# Altium PCB MCH_MAIN.PCBDOC (part 3 of 14)
Units mil, origin at the board's own origin, x right, y up, seen from the top; angles counter-clockwise.
Board outline 7110.66 x 2894.12 mil, 6 copper layers (Top Layer, Power, MidLayer1, MidLayer4, GND, Bottom Layer), stack 61.549 mil thick; 630 components, 1085 nets, 3940 pads, 2676 vias.
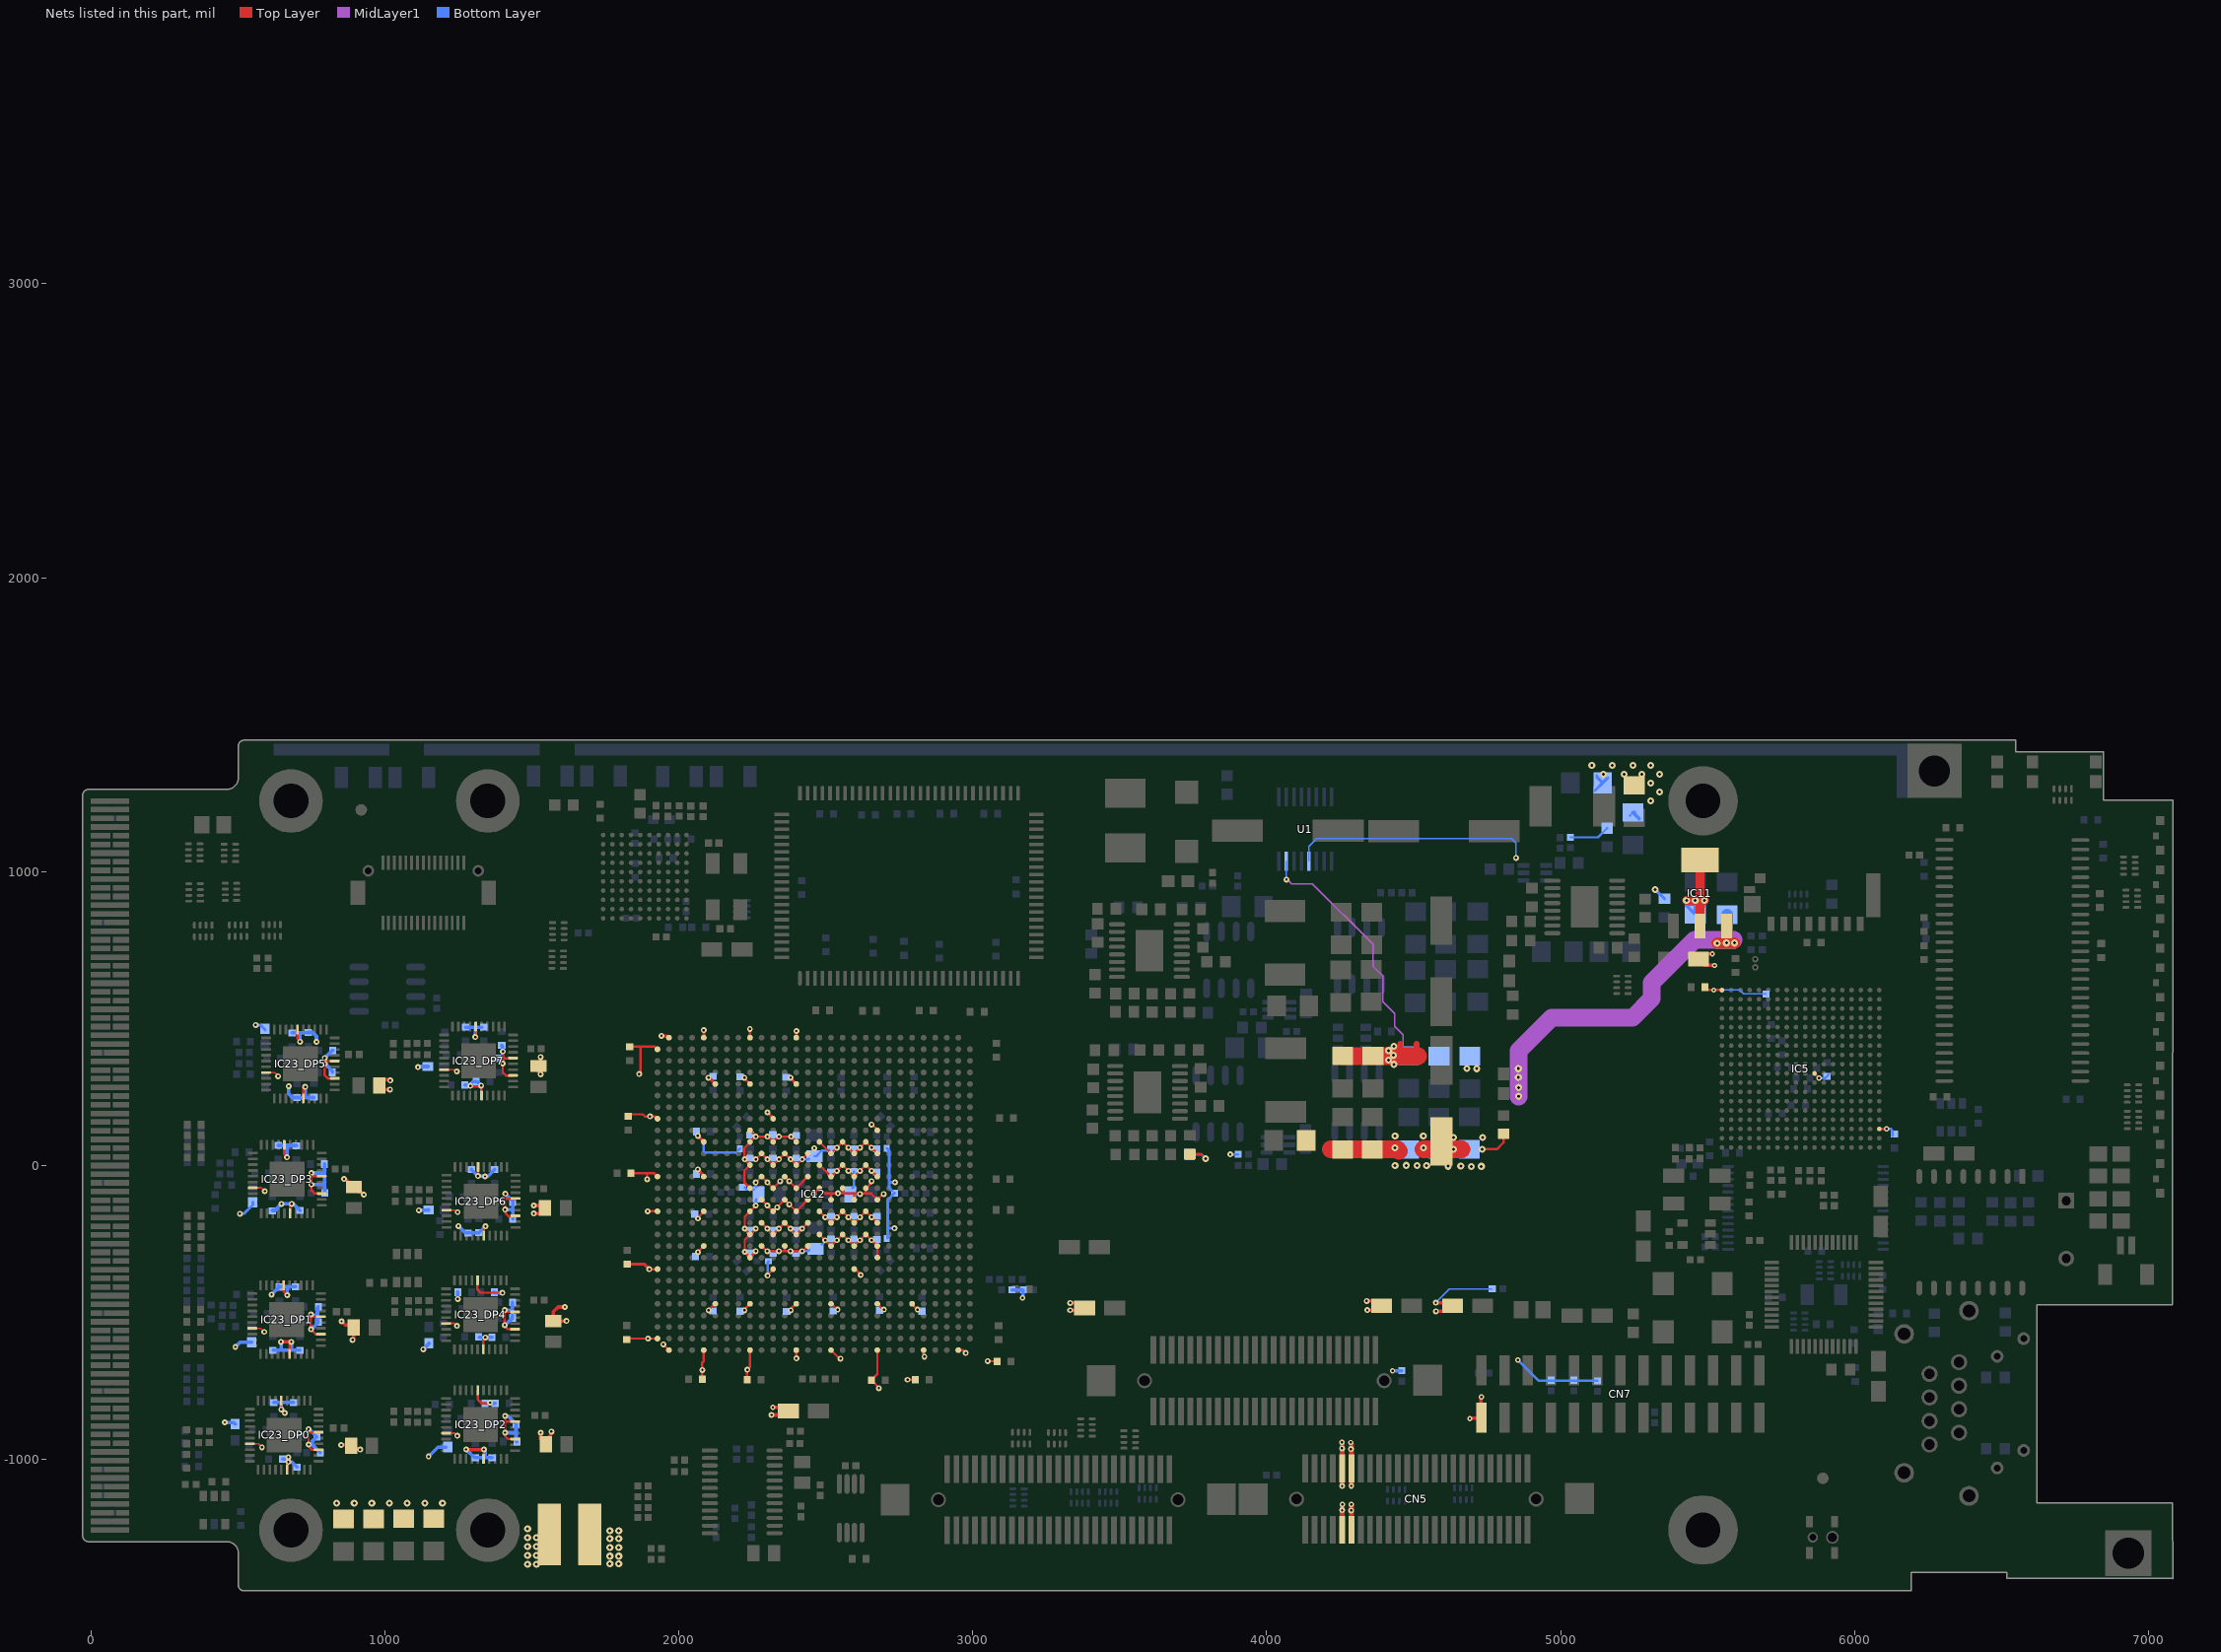
[diagram p7: the nets of this part, all layers, seen from the top]

## Part data
C1 C3 C4 C6 C34 C36 C37 C38 C39 C40 C41 C43 C44 C45 C46 C50 C52 C53 C55 C57 C60 C67_DP0 C67_DP1 C67_DP2 C67_DP3 C67_DP4 C67_DP5 C67_DP6 C67_DP7 C74_DP0 C74_DP1 C74_DP2 C74_DP3 C74_DP4 C74_DP5 C74_DP6 C74_DP7 C76_DP0 C76_DP1 C76_DP2 C76_DP3 C76_DP4 C76_DP5 C76_DP6 C76_DP7 C77 C78 C79 C80 C81 C82 C83 C85 C89 C93 C96 C97 C99 C101 C102 C103 C104 C108 C109 C110 C113 C117 C118 C119 C123 C126 C129 C133 C134 C136 C141 C142 C143 C148 C149 C150 C151 C154 C155 C156 C159 C161 C162 C164 C166 C167 C172 C173 C180 C181 C182 C188 C189 C190 C191 C192 C194 C195 C196 C197 C198 C199 C206 C212 C216 C217 C219 C220 C225 C226 C229 C230 C231 C232 C233 C234 C235 C236 C237 C238 C239 C240 C251_DP0 C251_DP1 C251_DP2 C251_DP3 C251_DP4 C251_DP5 C251_DP6 C251_DP7 C252_DP0 C252_DP1 C252_DP2 C252_DP3 C252_DP4 C252_DP5 C252_DP6 C252_DP7 C254: library part CC0402_100NF_16V_10%_X7R, "Non-polarised capacitor"
C2 C5 C7 C58 C258: library part CC0402_1NF_50V_10%_X7R, "Non-polarised capacitor"
C8 C9 C11 C12 C13 C21 C23 C24 C25 C27 C30 C31 C42 C72 C73 C256: library part CC0603_100NF_50V_10%_X7R, "Non-polarised capacitor"
C10 C22: library part CC0603_100PF_50V_5%_NP0, "Non-polarised capacitor"
C14: library part CC0603_2.2NF_50V_10%_X7R, "Non-polarised capacitor"
C15: library part CC0603_22NF_50V_10%_X7R, "Non-polarised capacitor"
C16: library part CC0603_33NF_25V_10%_X7R, "Non-polarised capacitor"
C17: library part CC0603_1.0uF_16V_10%_X7R, "Non-polarised capacitor"
C19 C61: library part CC0603_390PF_50V_5%_NP0, "Non-polarised capacitor"
C20 C29: library part CC0603_220PF_50V_5%_NP0, "Non-polarised capacitor"
C26: library part CC0603_68NF_16V_10%_X7R, "Non-polarised capacitor"
C28 C193: library part CC0603_15PF_50V_5%_NP0, "Non-polarised capacitor"
C32 C33 C35: library part CTE3216-18_10UF_10V_10%_LESR1800, "Polarised capacitor"
C47 C48 C49: library part CTE3216-18_22UF_10V_10%, "Polarised capacitor"
C51: library part CC0402_4.7NF_16V_10%_X7R, "Non-polarised capacitor"
C54: library part CC0402_470PF_50V_10%_X7R, "Non-polarised capacitor"
C56 C68_DP0 C68_DP1 C68_DP2 C68_DP3 C68_DP4 C68_DP5 C68_DP6 C68_DP7 C70_DP0 C70_DP1 C70_DP2 C70_DP3 C70_DP4 C70_DP5 C70_DP6 C70_DP7 C75_DP0 C75_DP1 C75_DP2 C75_DP3 C75_DP4 C75_DP5 C75_DP6 C75_DP7 C87 C111 C114 C120 C122 C124 C125 C127 C128 C130 C131 C135 C137 C139 C144 C157 C165 C200 C250_DP0 C250_DP1 C250_DP2 C250_DP3 C250_DP4 C250_DP5 C250_DP6 C250_DP7 C257: library part CC0402_10NF_16V_10%_X7R, "Non-polarised capacitor"
C59 C66_DP0 C66_DP1 C66_DP2 C66_DP3 C66_DP4 C66_DP5 C66_DP6 C66_DP7 C91 C105 C107 C112 C115 C116 C121 C138 C145 C146 C147 C152 C153 C160 C174 C218: library part CC0402_1.0NF_50V_10%_X7R, "Non-polarised capacitor"
C62 C98 C259 C260: library part CC0402_22PF_50V_5%_NP0, "Non-polarised capacitor"
C63_DP0 C63_DP1 C63_DP2 C63_DP3 C63_DP4 C63_DP5 C63_DP6 C63_DP7 C64_DP0 C64_DP1 C64_DP2 C64_DP3 C64_DP4 C64_DP5 C64_DP6 C64_DP7 C65_DP0 C65_DP1 C65_DP2 C65_DP3 C65_DP4 C65_DP5 C65_DP6 C65_DP7 C132_DP0 C132_DP1 C132_DP2 C132_DP3 C132_DP4 C132_DP5 C132_DP6 C132_DP7: library part CC0402_22NF_16V_10%_X7R, "Non-polarised capacitor"
C69: library part CPER_100NF_63V_10%_500-250X720X650, "Non-polarised capacitor"
C71_DP0 C71_DP1 C71_DP2 C71_DP3 C71_DP4 C71_DP5 C71_DP6 C71_DP7 C243 C244: library part CC0805_22uF_6.3V_20%_X5R, "Non-polarised capacitor"
C84 C86 C88 C90: library part CC0805_10uF_16V_10%_X5R, "Non-polarised capacitor"
C92 C94 C95: library part CC0603_10NF_50V_10%_X7R, "Non-polarised capacitor"
C100 C106: library part CC0402_15PF_50V_5%_NP0, "Non-polarised capacitor"
C140 C241 C242: library part CC0603_10uF_6.3V_20%_X5R, "Non-polarised capacitor"
C158 C163 C221 C222 C223 C224: library part CTE3216-18_22UF_6.3V_10%_LESR0900, "Polarised capacitor"
C168 C169 C170 C171 C175 C176 C177 C178 C179 C183 C184 C185 C186 C187 C201 C202 C203 C204 C205 C207 C208 C209 C210 C211 C245 C246 C247 C248 C253 C255: library part Cap, "Capacitor"
C213 C214 C215 C249: library part "Cap Pol1", "Polarized Capacitor (Radial)"
C227 C228: library part CC0603_10UF_6.3V_20%_X5R, "Non-polarised capacitor"
CN1: library part CON_SH_CRIMP_1MM_2
CN2: "microTCA MTCA.0 standard MCH connector 1"
CN3: library part CON_ETHERNET_TYCO_1888250-1, "low profile uTCA Ethernet jack (RJ45)"
CN4 CN5 CN11: library part KX15_50p, "multipin B2B connector (plug)"
CN6: library part KX15_30p, "multipin B2B connector (plug)"
CN7: library part "CONN_2x13 2", "1.27 mm dual row goldpin"
CN10: library part CON_CARD_micro_SD, "Secure Digital Cards socket (Farnell)"
D1 D2 D3 D4: library part LED0, "Chip LED (any color)"
D5 D6 D7 D8 D9 D10 D11 D12: library part LED_2_colour, "Dual color LED"
D13: "Schottky Diode"
D14 D18 D22: library part "D Schottky", "Schottky Diode"
D15 D16 D19: library part LED0, "Red chip LED"
D17: library part D_TRANSIL_SMD_0.6KW, "transil 600W"
D20 D21 D23 D24: library part Diode, "Default Diode"
F1: "polymer FUSE"
IC1: "ONSemi LVDS/LVPECL -> LVTTL/LVCMOS buffer"
IC2: library part CDCVF310, "1:10 LVTTL/LVCMOS clock fanout"
IC3: library part OSC_CFPS-73, "SMD oscillator 3.3V (Elfa)"
IC4: library part IFC_DM9161AE, "Davicom 100Mbps ethernet PHY"
IC5: library part AT91SAM9263, "Atmel ARM926 MCU"
IC6 IC7: "Micron 256Mbit PC133 SDRAM w/16-bit data bus"
IC8: "TI single OR gate"
IC9: library part AT91SAM7X256, "Atmel ARM7 microcontroller with 256kB flash"
IC10: library part MEM_AT45DB642, "serial data FLASH"
IC11: library part 1117, "Three-Terminal Adjustable Output Positive Voltage Regulator"
IC12: library part EP3C120F780C7, "Cyclone III Family FPGA, 531 I/O Pins, 4 PLLs, 780-Pin FBGA, Speed Grade 7, Commercial Grade"
IC13: "National Semiconductor 3A integrated synchronous buck converter"
IC14 IC15: library part TPS4005X, "TI synchronous buck controller"
IC17: library part 71V3556, "4.5 Mbit ZBT SRAM"
IC18: library part DS18B20Z, "1-wire thermometer/ID chip"
IC19: "TTL->LVDS buffer"
IC20: "LVDS->TTL buffer"
IC21 IC22 IC24: library part INA210_214, "High/low side current monitor"
IC23_DP0 IC23_DP1 IC23_DP2 IC23_DP3 IC23_DP4 IC23_DP5 IC23_DP6 IC23_DP7: "Texas Instruments Gigabit Ethernet PHY with deterministic clocking and LVPECL output interface"
IC39 IC40 IC41 IC42: "I2C temp. sensor"
L1 L2 L8: library part L_IHLP2525_0.68u, "Vishay 16A 2.2u inductor"
L3 L5_DP0 L5_DP1 L5_DP2 L5_DP3 L5_DP4 L5_DP5 L5_DP6 L5_DP7 L6 L7 L10: "Ferrite bead"
L4 L9 L11: library part Inductor, "Ferrite bead"
L12: library part L_WUERTH_744043, "Wuerth small footprint SMD power inductor"
Q1 Q2 Q3 Q4: library part Q_SI7860, "18A 8mOhm N-Channel MOSFET"
R1 R2 R3 R4 R5 R6 R7 R8 R11 R12 R68 R69 R70 R71 R72 R73 R74: library part R0402_22R_1%_0.0625W_100PPM, "Resistor - 1%"
R9 R39 R65_DP0 R65_DP1 R65_DP2 R65_DP3 R65_DP4 R65_DP5 R65_DP6 R65_DP7: library part R0402_33R_1%_0.0625W_100PPM, "Resistor - 1%"
R10 R76 R101: library part R0402_100R_1%_0.0625W_100PPM, "Resistor - 1%"
R13: library part R0603_56K_1%_0.1W_100PPM, "Resistor - 1%"
R14 R60 R75: library part R0402_1K5_1%_0.0625W_100PPM, "Resistor - 1%"
R15 R32: library part R0603_4K7_1%_0.1W_100PPM, "Resistor - 1%"
R16: library part R0603_1R_1%_0.1W_100PPM, "Resistor - 1%"
R17: library part R0603_4K99_0.1%_0.063W_10PPM, "Resistor - 0.1%"
R18_DP0 R18_DP1 R18_DP2 R18_DP3 R18_DP4 R18_DP5 R18_DP6 R18_DP7 R63_DP0 R63_DP1 R63_DP2 R63_DP3 R63_DP4 R63_DP5 R63_DP6 R63_DP7: library part R0402_51R_1%_0.0625W_100PPM, "Resistor - 1%"
R19 R40 R43 R47 R48 R57 R64 R66 R80 R83 R84 R85 R86 R88 R89 R90 R91 R92 R93 R94 R95 R103 R104 R105 R106 R107 R108 R109 R110: library part R0402_10K_1%_0.0625W_100PPM, "Resistor - 1%"
R20 R23: library part R0603_10K_1%_0.1W_100PPM, "Resistor - 1%"
R21 R22 R58 R59 R67: library part R0402_0R_JUMPER, "Resistor - 1%"
R24: library part R0603_120K_1%_0.1W_100PPM, "Resistor - 1%"
R25: library part R0603_5K76_0.1%_0.063W_10PPM, "Resistor - 0.1%"
R26 R36: library part R0603_1K_1%_0.1W_100PPM, "Resistor - 1%"
R27 R37: library part R0603_100K_0.1%_0.063W_10PPM, "Resistor - 0.1%"
R28 R38: library part R0603_7K5_0.1%_0.063W_10PPM, "Resistor - 0.1%"
R29: library part R0603_220R_1%_0.1W_100PPM, "Resistor - 1%"
R30 R42: library part R0603_200K_1%_0.1W_100PPM, "Resistor - 1%"
R31: library part R0603_39K_1%_0.1W_100PPM, "Resistor - 1%"
R33: library part R0603_43K_1%_0.1W_100PPM, "Resistor - 1%"
R34 R82: library part R0402_1K_1%_0.0625W_100PPM, "Resistor - 1%"
R35: library part R0603_91K_1%_0.1W_100PPM, "Resistor - 1%"
R41: library part R0603_330R_1%_0.1W_100PPM, "Resistor - 1%"
R44: library part R0603_27K_1%_0.1W_100PPM, "Resistor - 1%"
R45 R46 R49 R50: library part R0603_49R9_0.1%_0.063W_10PPM, "Resistor - 0.1%"
R51: library part R0603_6K8_1%_0.1W_100PPM, "Resistor - 1%"
R52 R53: library part R0603_75R_1%_0.1W_100PPM, "Resistor - 1%"
R54 R55: library part R0603_470R_1%_0.1W_100PPM, "Resistor - 1%"
R56: library part R0402_2K_1%_0.0625W_100PPM, "Resistor - 1%"
R61 R62 R77 R78 R79 R81: library part R0402_3K3_1%_0.0625W_100PPM, "Resistor - 1%"
R87: library part R0402_47K_1%_0.0625W_100PPM, "Resistor - 1%"
R96 R97 R98: library part Res2, "Resistor"
R99 R100 R102 R118: library part R0402_680R_1%_0.0625W_100PPM, "Resistor - 1%"
R111 R112 R113 R114 R115 R116: library part R1206_100K_1%_0.25W_100PPM, "Resistor - 1%"
R117: library part R1206_0R_JUMPER, "Resistor - 1%"
RP1 RP2 RP3 RP5 RP19 RP20 RP21 RP22 RP23 RP24 RP25 RP31: library part Res_Pack4_10k_YC124, "4-resistor pack"
RP6 RP7 RP8 RP9 RP30: library part Res_Pack4_220R_YC124_1, "4-resistor pack"
RP10 RP11 RP12 RP13 RP14 RP15 RP16 RP17 RP18 RP26 RP27 RP28 RP29: library part Res_Pack4_22R_YC124, "4-resistor pack"
S1: library part uTCA_HOTSWAP_SWITCH, "Push button"
Tr1: "ethernet trafo (TME)"
U1: "Analog Multiplexer/Demultiplexer"
X1 X2: library part X_CRYSTAL_SMD_ABM8, "Miniature crystal oscillator (ABRACON)"
X3: library part XTAL, "Crystal Oscillator"

## Free pads (board coordinates)
  rect 393.7x39.37 smd far side paste-100000 mask+10: ESD_STRIP_SEGMENT_1(818.91,1415.33) ESD_STRIP_SEGMENT_2(1330.72,1415.33)
  rect 4685.04x39.37 smd far side paste-100000 mask+10: ESD_STRIP_SEGMENT_3(3988.2,1415.33)
  rect 39.37x185.04 smd far side paste-100000 mask+10: ESD_STRIP_SEGMENT_3(6163.4,1342.5)
  rect 185.04x185.04 hole 106.3: ESD_STRIP_SEGMENT_3(6271.66,1342.5)
  round 39.37 smd paste-39.37 mask+19.68: fid_1(920,1209.9) fid_3(5891.8,-1064.2)
  round 39.37 smd far side paste-39.37 mask+19.68: fid_2(5891.8,-1064.2) fid_4(920,1209.9)
  round 216.54 hole 118.11: ""(681.11,-1240.18) ""(681.11,1240.14) ""(1350.4,-1240.18) ""(1350.4,1240.14)
  round 236.22 hole 118.11: ""(5484.26,-1240.18) ""(5484.26,1240.14)
  rect 157.48x157.48 hole 106.3: ""(6931.11,-1318.92)

## Via types
v1: diameter 20, hole 8, Top Layer to Bottom Layer, tented both sides, 1658 vias
v2: diameter 18, hole 8, Top Layer to Bottom Layer, tented both sides, 580 vias
v3: diameter 24, hole 10, Top Layer to Bottom Layer, tented both sides, 438 vias

## Nets (pads, with @x,y where several pads share a name; then routed paths per layer and width w, separated by ;. In a path a pad name is that pad's centre, name@x,y a point inside that pad or via, vN(x,y) a via of type N, cw(c..) or ccw(c..) an arc to the next point about the centre after c; other vN are vias at no path point)
+1V2: C9.2 C77.2 C78.2 C80.2 C82.2 C84.2 C85.2 C86.2 C88.2 C89.2 C90.2 C93.2 C96.2 C97.2 C101.2 C103.2 C122.1 C124.1 C125.1 C127.1 C128.1 C130.1 C131.1 C137.1 C139.1 C146.1 C147.1 C152.1 C153.1 C158.1 C163.1 C170.2 C171.2 C240.2 IC12.J9 IC12.J20 IC12.K9 IC12.K11 IC12.K13 IC12.K15 IC12.K17 IC12.K19 IC12.L10 IC12.L12 IC12.L14 IC12.L16 IC12.L18 IC12.L20 IC12.M9 IC12.M11 IC12.M13 IC12.M15 IC12.M17 IC12.M19 IC12.N10 IC12.N12 IC12.N14 IC12.N16 IC12.N18 IC12.N20 IC12.P9 IC12.P11 IC12.P13 IC12.P15 IC12.P17 IC12.P19 IC12.R10 IC12.R12 IC12.R14 IC12.R16 IC12.R18 IC12.R20 IC12.T9 IC12.T11 IC12.T13 IC12.T15 IC12.T17 IC12.T19 IC12.U10 IC12.U12 IC12.U14 IC12.U16 IC12.U18 IC12.U20 IC12.V9 IC12.V11 IC12.V13 IC12.V15 IC12.V17 IC12.V19 IC12.W10 IC12.W12 IC12.W14 IC12.W16 IC12.W18 IC12.W20 IC12.Y9 IC12.Y20 R17.2 R96.1 R104.2 U1.12 | length 5179.3
  Top Layer w8: 2224.66,-16.11 2228.74,-12.04 ; v1@2224.66,19.57 IC12.M9@2242.51,1.73 2228.74,-12.04 ; v1@2224.66,25.5 2223.66,26.5 2223.66,59.94 2229.81,66.09 ; 2224.66,60.94 2229.81,66.09 ; IC12.P9@2241.21,-78.31 IC12.P9@2242.51,-77.01 2224.66,-59.17 2223.66,-58.17 2223.66,-17.11 2228.74,-12.04 ; IC12.J9@2242.51,119.84 2262.11,100.23 v1@2262.11,98.31 ; v1(2262.08,-57.44) IC12.N10@2281.88,-37.64 2301.76,-57.53 IC12.P11@2321.25,-77.01 v1(2344.79,-53.47) IC12.N12@2360.62,-37.64 2376.36,-53.39 IC12.P13@2399.99,-77.01 IC12.N14@2439.36,-37.64 ; v1(2262.11,-291.66) 2242.51,-311.26 IC12.Y9@2242.51,-313.23 2224.66,-295.39 v1(2224.67,-293.66) 2224.66,-252.33 IC12.V9@2242.51,-234.49 ; v1(2262.11,-214.88) IC12.V9@2242.51,-234.49 ; v1(2262.11,21.34) IC12.L10@2281.88,41.1 2301.76,21.21 IC12.M11@2321.25,1.73 v1(2340.85,21.34) IC12.L12@2360.62,41.1 2380.5,21.21 IC12.M13@2399.99,1.73 2419.8,21.54 IC12.L14@2439.36,41.1 ; v1(2262.11,98.11) v1@2262.11,98.31 ; v1(2262.15,-136.11) IC12.T9@2242.51,-155.75 2224.66,-173.59 v1(2224.67,-214.92) 2224.66,-216.65 IC12.V9@2242.51,-234.49 ; IC12.W10@2281.88,-273.86 v1@2299.72,-291.7 ; IC12.U10@2281.88,-195.12 2301.56,-214.81 IC12.V11@2321.25,-234.49 v1(2340.85,-214.88) IC12.U12@2360.62,-195.12 2380.3,-214.81 IC12.V13@2399.99,-234.49 v1(2419.59,-214.88) IC12.U14@2439.36,-195.12 ; IC12.R10@2281.88,-116.38 2301.56,-136.07 IC12.T11@2321.25,-155.75 v1(2334.95,-142.05) IC12.R12@2360.62,-116.38 2376.36,-132.13 IC12.T13@2399.99,-155.75 IC12.R14@2439.36,-116.38 ; IC12.W12@2360.62,-273.86 2360.62,-291.62 2360.54,-291.7 ; IC12.K13@2399.99,80.47 2382.27,98.19 2382.14,98.31 2340.85,98.31 2339.09,98.31 IC12.K11@2321.25,80.47 2303.4,98.31 2301.89,98.31 v1@2262.11,98.31 ; IC12.W14@2439.36,-273.86 2421.51,-291.7 v1(2419.59,-291.66) v1(2380.22,-291.66) 2360.54,-291.7 ; v1(2458.96,-96.77) IC12.P15@2478.73,-77.01 2480.41,-77.01 2498.25,-94.85 2541.64,-94.85 2557.39,-94.85 ; IC12.V15@2478.73,-234.49 2498.41,-254.18 IC12.W16@2518.1,-273.86 v1(2537.7,-254.25) IC12.V17@2557.47,-234.49 2577.15,-254.18 IC12.W18@2596.84,-273.86 v1(2616.44,-254.25) IC12.V19@2636.21,-234.49 2655.89,-254.18 IC12.W20@2675.58,-273.86 IC12.Y20@2675.58,-313.23 ; IC12.T15@2478.73,-155.75 2498.41,-175.44 IC12.U16@2518.1,-195.12 v1(2537.7,-175.51) IC12.T17@2557.47,-155.75 v1(2577.07,-175.51) IC12.U18@2596.84,-195.12 v1(2616.44,-175.51) IC12.T19@2636.21,-155.75 2655.89,-175.44 IC12.U20@2675.58,-195.12 ; IC12.M15@2478.73,1.73 IC12.N16@2518.1,-37.64 v1(2537.7,-18.03) IC12.M17@2557.47,1.73 2577.15,-17.96 IC12.N18@2596.84,-37.64 v1(2616.44,-18.03) IC12.M19@2636.21,1.73 2655.89,-17.96 IC12.N20@2675.58,-37.64 ; IC12.K15@2478.73,80.47 IC12.L16@2518.1,41.1 v1(2537.7,60.71) IC12.K17@2557.47,80.47 2577.15,60.78 IC12.L18@2596.84,41.1 v1(2616.44,60.71) IC12.K19@2636.21,80.47 2655.89,60.78 IC12.L20@2675.58,41.1 ; IC12.R16@2518.1,-116.38 2518.1,-95.93 ; IC12.P17@2557.47,-77.01 2557.39,-77.09 2557.39,-94.85 ; IC12.R18@2596.84,-116.38 2596.84,-96.9 2594.79,-94.85 ; IC12.P19@2636.21,-77.01 2636.21,-94.77 2636.13,-94.85 ; IC12.P19@2638.1,-77.09 2655.81,-59.37 v1(2655.81,-53.47) ; v1@2657.78,139.45 2675.58,121.65 IC12.J20@2675.58,119.84 ; v1@2695.18,-96.77 IC12.R20@2675.58,-116.38 2654.05,-94.85 2636.13,-94.85 ; 2229.81,66.09 2242.51,78.78 IC12.K9@2242.51,80.47 2260.35,98.31 v1@2262.11,98.31 ; v1@2299.72,-291.7 v1(2301.48,-291.66) ; v1@2299.72,-291.7 v1(2301.48,-291.66) ; v1(2301.48,-291.66) v1(2340.85,-291.66) 2360.54,-291.7 ; 2557.39,-94.85 2594.79,-94.85 ; 2594.79,-94.85 2616.44,-94.85 2636.13,-94.85
  Top Layer w12: v1(3331.8,-467.5) 3363.82,-467.5 C163.1@3380.82,-484.5 3373.62,-491.7 v1@3336.8,-491.7 ; v1(4340.3,-461.1) 4374.82,-461.1 C158.1@4390.82,-477.1 4379,-477.1 4364.4,-491.7 v1(4342.4,-491.7)
  Bottom Layer w5: U1.12@4143.8,1035.65 4143.8,1086 4160.2,1102.4 4160.2,1102.5 4169.3,1111.6 4833.3,1111.6 4848,1096.9 4848,1085.08 v1(4848,1046.7) ; C170.2@5233.2,1188.22 C170.2@5246,1201.02 ; v3(5322,938.9) v3@5326,934.9 ; R17.2@5353,907.4 R17.2@5353,907.9
  Bottom Layer w8: C130.1@2224.71,-75.12 2230.62,-81.03 C86.2@2256.21,-81.03 ; v1(2262.08,-57.44) 2262.08,-71.15 C86.2@2264.08,-73.15 ; v1(2262.15,-136.11) 2262.15,-116.42 C86.2@2264.08,-114.49 ; C86.2@2283.76,-116.46 2283.76,-118.36 v1(2301.52,-136.11) ; v1(2419.59,-291.66) 2439.28,-291.66 C90.2@2443.21,-287.72 ; v1(2420,21.34) 2441.24,21.34 C84.2@2443.21,23.3 ; C84.2@2462.13,31.59 2467.25,31.59 2486.52,50.86 2510.14,50.86 C152.1@2512.11,52.83 ; C90.2@2486.52,-268.03 2488.49,-268.03 2498.33,-258.19 v1(2498.33,-254.25) ; v1(2541.64,-94.81) 2577.07,-94.81 C88.2@2579.04,-96.77 ; C88.2@2590.85,-77.09 2596.13,-71.81 C128.1@2596.13,-20.6 ; C88.2@2594.79,-96.77 v1(2616.44,-96.77) ; R104.2@5033,1116.62 5127.22,1116.62 C9.2@5158,1147.4
  Bottom Layer w10: C171.2@5117.04,1275.82 C171.2@5143.12,1301.9 ; C171.2@5122.8,1325.3 5122.8,1322.22 C171.2@5126.4,1318.62 ; v3@5326,934.9 5326,934.4 R17.2@5353,907.4 ; C171.2@5126.4,1318.62 C171.2@5143.12,1301.9 ; C171.2@5126.4,1318.62 C171.2@5143.12,1301.9 ; C171.2@5143.12,1301.9 5160,1318.78 C171.2@5143.12,1301.9
  Bottom Layer w12: C170.2@5246,1201.02 5266.92,1180.1 C170.2@5246,1201.02 ; C170.2@5246,1201.02 5252.52,1201.02 C170.2@5246,1201.02
  other v1: 3331.6,-492.3 2577.07,-254.25 2655.81,-254.25 2301.48,-214.88 2380.22,-214.88 2498.33,-175.51 2655.81,-175.51 2376.28,-132.21 2697.15,-96.77 2301.89,-57.4 2376.28,-53.47 2577.07,-18.03 2655.81,-18.03 2224.67,21.3 2301.89,21.34 2380.63,21.34 2460.93,58.74 2577.07,60.71 2655.81,60.71 2301.89,98.11 2340.85,98.11 2382.19,98.11 2655.81,139.45
  other v3: 5306,1240.9 5336,1270.9 5306,1300.9 5146,1330.9 5216,1330.9 5276,1330.9 5336,1330.9 5106,1360.9 5176,1360.9 5246,1360.9 5306,1360.9
+1V2_CPU: C49.1 C99.2 C102.2 C104.2 C169.2 IC5.A16 IC5.H10 IC5.V1 IC11.2 IC11.4 R58.1 | length 1003.8
  Top Layer w8: C102.2@5491.24,606.91 5500.98,597.17 IC5.V1@5548.5,597.17 ; IC5.H10@5863.57,313.37 v2(5879.32,297.63) ; IC5.A16@6083.93,124.73 6084.05,124.73 v2@6107.57,124.73
  Top Layer w12: v2(5516,719.9) 5489,719.9 5471.49,702.39 C49.1@5469.07,702.39 ; v2@5523,680.3 5523,680.7 C49.1@5490.76,680.7 ; v2@5523.8,680.3 v2(5523.4,680.7) C49.1@5490.76,680.7 ; C49.1@5469.07,702.39 C49.1@5490.76,680.7 ; C49.1@5469.07,702.39 C49.1@5490.76,680.7
  Top Layer w30: v3(5428,901.9) v3(5489,901.9) ; IC11.2@5474,814.7 IC11.4@5474,1039.1
  Bottom Layer w5: v2(5521.07,596.83) 5521.15,596.91 5608.99,596.91 5622.28,583.62 R58.1@5699,583.62
  Bottom Layer w8: v2(5879.32,297.63) 5900.02,297.63 C99.2@5911.82,309.43 ; v2@6110.65,123.71 v2@6111.64,124.69 ; v2@6111.75,124.36 6123.56,124.36 6129,118.92 6129,106.52 C104.2@6129,100.52
  Bottom Layer w12: v3(5428,901.9) 5428,883.78 C169.2@5458,853.78 ; v3(5458,901.9) C169.2@5458,853.78 ; v3(5489,901.9) 5489,884.78 C169.2@5458,853.78
  other v2: 6108.67,124.39
+2V5: C79.1 C81.1 C83.1 C87.1 C91.1 C141.1 C142.1 C143.1 C144.1 C145.1 C154.1 C155.1 C156.1 C157.1 C160.1 C161.1 C164.1 C165.1 C174.1 C175.1 C176.1 C177.1 C178.1 C179.1 C183.2 C184.2 C185.2 C186.2 C187.2 C196.1 C198.1 C200.1 C213.1 C218.1 C221.1 C222.1 C253.2 CN5.9 CN5.10 CN5.11 CN5.12 CN7.26 IC11.3 IC12.A2 IC12.A5 IC12.A9 IC12.A13 IC12.AA1 IC12.AA11 IC12.AA18 IC12.AD6 IC12.AD9 IC12.AD13 IC12.AD16 IC12.AD20 IC12.AD23 IC12.AG1 IC12.AH2 IC12.AH5 IC12.AH9 IC12.AH13 IC12.AH16 IC12.AH20 IC12.AH24 IC12.AH27 IC12.B1 IC12.E6 IC12.E9 IC12.E13 IC12.H1 IC12.H11 IC12.K5 IC12.N1 IC12.N5 IC12.T1 IC12.T5 IC12.W5 L3.1 L6.1 L7.1 L10.1 L12.1 R21.1 R27.2 R28.2 R29.2 R40.1 R43.1 R61.2 R62.2 R77.2 R97.1 R99.2 R100.2 R106.2 U1.15 | length 7521.9
  Top Layer w8: C196.1@1823.13,-591.6 1825.91,-588.82 v1(1895.52,-588.82) IC12.AG1@1927.54,-588.82 ; C198.1@1833.4,404.12 1869.4,404.12 ; C83.1@1837.02,-26.5 1858.6,-26.5 ; 1851.38,174.12 1832.4,174.12 1877.98,174.12 1885.2,166.9 1919.85,166.9 IC12.H1@1927.54,159.21 ; v1(1865.2,311.3) 1869.4,315.5 1869.4,404.12 ; 1868,-26.5 1858.6,-26.5 ; v1@1892.6,-44.3 1892.6,-26.5 ; v1@1894.35,-155.75 IC12.T1@1927.54,-155.75 ; v1(1899.9,-352.6) IC12.AA1@1927.54,-352.6 ; IC12.N1@1924.9,-35 1916.4,-26.5 1892.6,-26.5 ; IC12.B1@1927.54,395.43 1918.85,404.12 1869.4,404.12 ; v1(1947.22,-608.5) IC12.AH2@1966.91,-628.19 ; v1@2063.29,-179.45 2063.78,-178.96 2083.06,-159.69 IC12.T5@2083.06,-157.72 ; v1@2065.26,-297.56 v1(2065.26,-294.61) 2065.26,-293.62 IC12.W5@2083.06,-275.83 ; C165.1@2080.22,-725.3 2080.22,-670.33 2085.02,-665.52 IC12.AH5@2085.02,-628.19 ; v1@2102.66,-494.41 2102.66,-492.44 2102.66,-490.48 IC12.AD6@2118.49,-474.65 ; v1(2223.15,298.93) 2223.15,296.68 IC12.E9@2242.51,277.32 ; v1@2226.68,-490.48 2226.68,-486.54 IC12.AD9@2242.51,-470.71 ; C87.1@2232.78,-728.5 2232.78,-694.32 2242.51,-684.59 IC12.AH9@2242.51,-628.19 ; v1@2301.48,-372.36 IC12.AA11@2321.25,-352.6 ; v1@2382.19,-490.48 2382.19,-486.54 IC12.AD13@2398.02,-470.71 ; v1(2399.99,-656.11) IC12.AH13@2399.99,-628.19 ; IC12.A13@2399.99,434.8 v1(2399.99,457.69) ; IC12.AH16@2518.1,-628.19 2543.8,-653.9 v1@2551.4,-653.9 ; IC12.AD16@2518.1,-470.71 2519.91,-470.71 v1@2539.67,-490.48 ; IC12.AA18@2596.84,-352.6 2600.62,-352.6 v1@2618.41,-370.4 ; IC12.AH20@2675.58,-628.19 2675.58,-709.9 C81.1@2655.38,-730.1 v1@2681.38,-756.1 ; IC12.AD20@2675.58,-470.71 2695.34,-490.48 v1@2697.15,-490.48 ; v1@2680.6,-756.9 v1@2681.4,-756.1 ; v1@2781.6,-729.9 2782.52,-728.98 C79.1@2804.3,-728.98 ; IC12.AD23@2793.69,-470.71 2793.69,-472.84 v1@2811.32,-490.48 ; IC12.AH24@2833.06,-628.19 2833.06,-647.76 v1(2835.8,-650.5) ; IC12.AH27@2951.17,-628.19 2966.69,-628.19 v1(2976.2,-637.7) ; v1@3052.6,-665.7 3081.98,-665.7 C143.1@3082.38,-666.1 ; R28.2@3739,39.4 3775.5,39.4 v3(3792,22.9) ; v2(4255.7,-941.1) 4256.2,-941.6 v1(4256.2,-962.3) 4255.77,-962.73 4255.77,-1027.77 v1@4255.77,-1087.07 ; CN5.10@4255.77,-1236.43 4255.77,-1173.53 v1(4256.6,-1172.7) ; v1@4286.2,-1168.1 4287.27,-1169.17 CN5.12@4287.27,-1236.43 ; v2(4286.5,-942.3) 4286.2,-942.6 v1(4286.2,-964.9) 4287.27,-965.97 4287.27,-1027.77 4287.27,-1087.77 v1@4287.4,-1087.9 ; v3(4733.1,55.4) 4783,55.4 4806,78.4 R29.2@4806,107.4 ; 1858.6,-26.5 1892.6,-26.5
  Top Layer w10: C161.1@1824.4,-336.12 1883.42,-336.12 v1(1899.9,-352.6) ; v1(1941.2,441.1) 1960.62,441.1 IC12.A2@1966.91,434.8 ; v1(2064.68,-13.08) 2085.02,-33.42 IC12.N5@2085.02,-37.64 ; v1(2064.68,101.09) 2085.02,80.75 IC12.K5@2085.02,80.47 ; IC12.A5@2085.02,434.8 v1(2085.02,460.68) ; v1(2101.1,298.93) 2102.79,298.93 IC12.E6@2124.39,277.32 ; v1(2242.2,464.9) 2242.2,435.11 IC12.A9@2242.51,434.8 ; v1(2301.89,180.82) 2321.25,161.46 IC12.H11@2321.25,159.21 ; v1(2380.63,298.93) 2380.63,296.68 IC12.E13@2399.99,277.32
  Top Layer w12: v1(2315.6,-848.7) 2359.22,-848.7 C222.1@2372.82,-835.1 ; v2(2320,-822.1) 2359.82,-822.1 C222.1@2372.82,-835.1 ; C222.1@2381.8,-826.12 C222.1@2372.82,-835.1 ; v1@4577.2,-466.6 4621.22,-466.6 C221.1@4632.22,-477.6 4614.02,-495.8 v1@4577.8,-495.8 ; v2(4691,-861.1) 4692,-860.1 4729,-860.1 4729,-788.1 v2(4730,-787.1)
  Top Layer w16: v2(4255.7,-941.1) 4257.03,-942.43 CN5.9@4257.03,-1030.77 4257.03,-1085.81 v1@4255.77,-1087.07 ; CN5.10@4257.03,-1239.43 v2@4257.03,-1152.73 ; v2@4286.2,-942.6 4288.53,-944.93 CN5.11@4288.53,-1030.77 4288.53,-1089.47 v1(4287.8,-1090.2) ; v2(4288.4,-1153.3) 4288.53,-1153.43 CN5.12@4288.53,-1239.43
  Top Layer w20: 4454.38,372.56 4454.38,413.41 ; 4509.5,413.41 4509.5,377.97 4514.92,372.56
  Top Layer w40: v3@5533,756.9 v3(5592,756.9) v3(5564,756.9) 5564.55,757.45 IC11.3@5564.55,814.7
  Top Layer w60: 4218.77,54.52 C185.2@4258.07,54.52 C184.2@4359.07,54.52 4444.48,54.52 4449.7,49.3 ; C176.1@4258.47,372.56 C175.1@4361.47,372.56 4454.38,372.56 4514.92,372.56 4515.4,372.07 ; v3@4533.12,55.14 4662.64,55.14
  MidLayer1 w5: v1@4067.4,972.3 4071.5,972.3 4085.2,958.6 4155.1,958.6 4361.06,752.64 4361.06,677.76 4394.53,644.3 4394.53,557.67 4435.45,516.75 4435.45,474.25 4464.5,445.2 4464.5,386.6 4452.1,374.2 4432.3,374.2 v3(4431.7,374.8)
  MidLayer1 w8: v1(2399.99,457.69) v1@2400.4,458.1
  MidLayer1 w60: v3@4857,234.9 4857,390.9 4969,502.9 5245,502.9 5310,567.9 5310,622.13 5455.77,767.9 v3@5589,767.9
  Bottom Layer w5: v1@4067.02,973.2 U1.15@4067.02,1035.65 ; v1(4575.2,-466.6) 4621.7,-420.1 R43.1@4767.28,-420.1
  Bottom Layer w8: v1(2064.68,101.09) 2084.8,80.98 2084.8,69.7 2084.8,49.1 2089.6,44.3 2195.09,44.3 L6.1@2208.13,57.34 ; v1(2302.47,-374.33) 2302.47,-329.33 L3.1@2305.81,-325.98 ; R27.2@3737.5,37.9 3777,37.9 v3(3792,22.9) ; v1(3876,37.9) R106.2@3902.28,37.9 ; v2(4854,-661.1) 4925.28,-732.38 4940,-732.38 R61.2@5125,-732.38
  Bottom Layer w10: L10.1@2708.13,58.34 2715.18,51.28 2715.18,-57.5 ; L7.1@2710.8,-247.1 2710.8,-212.9 ; R21.1@2725.2,-85.7 2715.18,-75.68 2715.18,-57.5 ; v1(2733.8,-213.7) 2733,-212.9 2710.8,-212.9 ; R21.1@2734.68,-93.5 2710.8,-117.38 2710.8,-212.9 ; v1(2735.8,-57.3) 2735.6,-57.5 2715.18,-57.5
  Bottom Layer w12: R100.2@3133.72,-423.1 R99.2@3171.28,-423.1 ; R99.2@3164,-422.1 3163,-423.1 R99.2@3171.28,-423.1 ; v2(3169,-450.1) 3171.28,-447.82 R99.2@3171.28,-423.1 ; v2(4428,-698.1) 4428.28,-698.38 R40.1@4459,-698.38
  Bottom Layer w40: v3@5533,756.9 v3(5564,756.9) ; C253.2@5566,853.6 5566,758.9 v3(5564,756.9) ; v3(5592,756.9) v3(5564,756.9)
  other v1: 4287.6,-1173.2 4256.6,-1090.7 2680.6,-757.3 2778.2,-728.7 2080.6,-695.7 2233.4,-695.1 3051,-665.1 2550.23,-657.09 4575.8,-495.8 2101.68,-492.44 2223.73,-492.44 2381.21,-492.44 2540.65,-490.41 2698.13,-490.41 2812.31,-490.41 2619.39,-372.3 2065.26,-180.44 1894.3,-155.6 1892.6,-46.9 1902.4,166.9 4067.4,972.9
  other v2: 4257,-1152.7
  other v3: 1766,-1355.1 1796,-1355.1 1766,-1329.1 1796,-1329.1 1766,-1299.1 1796,-1299.1 1766,-1269.1 1796,-1269.1 1766,-1243.1 1796,-1243.1 4696.5,-3.1 4730.2,-2.8 4617.22,-2.5 4660.2,-1.9 4436.8,0.2 4511.3,0.3 4544.2,0.1 4474.7,0.6 4636.1,55.4 4436.4,60.1 4533.7,60.1 4635.7,95.4 4734.75,95.4 4436.8,100.1 4532.7,100.1 4857.2,235.4 4857.2,265.4 4856.2,299.4 4681.2,329.8 4714.2,329.4 4856.2,329.4 4432.3,344.2 4414.9,359 4415.1,391.1 4433.2,406 5532,755.9
+2V5_PHY: C68_DP0.2 C68_DP1.2 C68_DP2.2 C68_DP3.2 C68_DP4.2 C68_DP5.2 C68_DP6.2 C68_DP7.2 C70_DP0.2 C70_DP1.2 C70_DP2.2 C70_DP3.2 C70_DP4.2 C70_DP5.2 C70_DP6.2 C70_DP7.2 C71_DP0.2 C71_DP1.2 C71_DP2.2 C71_DP3.2 C71_DP4.2 C71_DP5.2 C71_DP6.2 C71_DP7.2 C74_DP0.2 C74_DP1.2 C74_DP2.2 C74_DP3.2 C74_DP4.2 C74_DP5.2 C74_DP6.2 C74_DP7.2 C245.2 C246.2 C247.2 C248.2 C250_DP0.2 C250_DP1.2 C250_DP2.2 C250_DP3.2 C250_DP4.2 C250_DP5.2 C250_DP6.2 C250_DP7.2 C251_DP0.2 C251_DP1.2 C251_DP2.2 C251_DP3.2 C251_DP4.2 C251_DP5.2 C251_DP6.2 C251_DP7.2 C252_DP0.2 C252_DP1.2 C252_DP2.2 C252_DP3.2 C252_DP4.2 C252_DP5.2 C252_DP6.2 C252_DP7.2 IC23_DP0.6 IC23_DP0.13 IC23_DP0.16 IC23_DP0.26 IC23_DP0.37 IC23_DP1.6 IC23_DP1.13 IC23_DP1.16 IC23_DP1.26 IC23_DP1.37 IC23_DP2.6 IC23_DP2.13 IC23_DP2.16 IC23_DP2.26 IC23_DP2.37 IC23_DP3.6 IC23_DP3.13 IC23_DP3.16 IC23_DP3.26 IC23_DP3.37 IC23_DP4.6 IC23_DP4.13 IC23_DP4.16 IC23_DP4.26 IC23_DP4.37 IC23_DP5.6 IC23_DP5.13 IC23_DP5.16 IC23_DP5.26 IC23_DP5.37 IC23_DP6.6 IC23_DP6.13 IC23_DP6.16 IC23_DP6.26 IC23_DP6.37 IC23_DP7.6 IC23_DP7.13 IC23_DP7.16 IC23_DP7.26 IC23_DP7.37 L5_DP0.1 L5_DP1.1 L5_DP2.1 L5_DP3.1 L5_DP4.1 L5_DP5.1 L5_DP6.1 L5_DP7.1 L12.2 | length 5983.4
  Top Layer w6: IC23_DP0.37@541.06,-946.76 570.35,-946.76 v1@581.35,-957.76 ; IC23_DP1.37@548.86,-554.16 578.15,-554.16 v1@589.15,-565.16 ; IC23_DP3.37@550.54,-75.36 579.83,-75.36 v1@590.83,-86.36 ; IC23_DP5.37@596.14,316.05 625.43,316.05 v1@636.43,305.04 ; IC23_DP7.37@1201.74,325.78 1241.12,325.78 1242.03,324.87 v1@1242.03,314.78 ; IC23_DP4.37@1208.06,-537.22 1237.35,-537.22 v1@1248.35,-548.22 ; IC23_DP2.37@1209.14,-911.02 1238.43,-911.02 v1@1249.43,-922.02 ; IC23_DP6.37@1209.86,-152.16 1239.15,-152.16 v1@1250.15,-163.16
  Top Layer w8: IC23_DP0.26@648.35,-800.1 648.35,-831.83 v1@658.13,-841.61 ; IC23_DP1.26@656,-395.4 656,-429.1 v1@665.78,-438.88 ; IC23_DP3.26@657.82,71.3 657.82,39.57 v1@667.6,29.79 ; IC23_DP0.6@668.03,-1034.35 v1@668.03,-1003.09 ; IC23_DP1.6@675.83,-641.75 675.83,-606.47 v1(682.2,-600.1) ; IC23_DP3.6@677.51,-162.95 v1@677.51,-131.69 ; IC23_DP5.26@703.42,462.7 703.42,430.97 v1@712.54,421.84 ; IC23_DP5.6@723.11,228.45 723.11,265.1 727.26,269.25 727.95,269.25 v1(729.4,267.8) ; v1@740.8,-897.72 740.8,-907.56 ; v1@748.6,-505.12 v1@748.6,-514.96 ; v1@750.28,-26.32 750.28,-36.16 ; IC23_DP0.16@775.25,-907.56 740.8,-907.56 ; IC23_DP0.13@775.32,-966.44 751.46,-966.44 740.8,-955.79 740.8,-936.1 740.8,-907.56 ; IC23_DP1.16@783.05,-514.96 v1@748.6,-514.96 ; IC23_DP1.13@783.12,-573.84 765.14,-573.84 748.6,-557.3 748.6,-543.5 v1@748.6,-514.96 ; IC23_DP3.16@784.73,-36.16 750.28,-36.16 ; IC23_DP3.13@784.79,-95.04 760.93,-95.04 750.28,-84.39 v1(750.28,-64.7) 750.28,-36.16 ; v1@795.88,365.08 795.88,307.01 806.53,296.36 IC23_DP5.13@830.08,296.36 ; v1@796,355.24 IC23_DP5.16@830.08,355.24 ; v1@1292.46,269.44 1328.71,269.44 IC23_DP7.6@1328.71,238.19 ; 1309.02,452.08 1309.02,472.44 v1@1309.02,434.92 ; IC23_DP4.26@1315.35,-390.56 1315.35,-422.3 1325.75,-432.7 1399.6,-432.7 v1(1400,-433.1) ; IC23_DP2.26@1316.42,-764.36 1316.42,-796.1 1322.21,-801.89 ; v1@1317.15,-36.1 IC23_DP6.26@1317.15,-5.5 ; 1326.2,-805.87 1322.21,-801.89 ; IC23_DP4.6@1335.59,-624.85 v1@1335.59,-591.51 ; IC23_DP2.6@1336.11,-998.61 v1@1336.11,-967.36 ; IC23_DP6.6@1336.83,-239.75 v1@1336.83,-208.49 ; v1(1358.5,-806.76) 1356.68,-808.58 1328.91,-808.58 1322.21,-801.89 ; v1@1401.48,383.9 1401.48,364.98 ; v1@1408.8,-141.5 v1@1409.6,-141.5 ; v1@1408.88,-861.98 1408.88,-871.82 ; v1@1409.6,-103.12 1409.6,-112.96 ; IC23_DP7.16@1435.93,364.98 1401.48,364.98 ; IC23_DP7.13@1435.99,306.1 1412.13,306.1 1401.48,316.75 1401.48,336.44 1401.48,364.98 ; IC23_DP4.16@1442.25,-498.02 1407.8,-498.02 1407.8,-546.25 1418.46,-556.9 IC23_DP4.13@1442.32,-556.9 ; IC23_DP2.16@1443.33,-871.82 1408.88,-871.82 ; IC23_DP2.13@1443.39,-930.7 1419.53,-930.7 1408.88,-920.05 1408.88,-871.82 ; IC23_DP6.16@1444.05,-112.96 1409.6,-112.96 ; IC23_DP6.13@1444.12,-171.84 1420.26,-171.84 1409.6,-161.19 v1@1409.6,-141.5 ; C71_DP6.2@1528.58,-157.19 C71_DP6.2@1546.87,-138.9 ; v1@1309,434.9 1306,431.9 v1@1309.02,434.92 ; v1@1409.6,-141.5 1409.6,-112.96
  Top Layer w10: C71_DP2.2@1540.55,-947.84 1540.55,-940.55 1566.8,-914.3 v1(1566.8,-904.9)
  Top Layer w12: v1(647,-599.7) 681.8,-599.7 v1(682.2,-600.1) ; v1(851.8,-950.7) 882.17,-950.7 C71_DP0.2@885.57,-954.1 895.37,-963.9 913.8,-963.9 v1(916.4,-966.5) ; v1(853.15,-530) 865.25,-542.1 885.57,-542.1 C71_DP1.2@894.57,-551.1 894.57,-589.13 v1(890.4,-593.3) ; v1(861.4,-45.9) 867.23,-45.9 C71_DP3.2@895,-73.67 911.83,-90.5 920,-90.5 v1(928.8,-99.3) ; v1(1018,258.7) 995.63,258.7 C71_DP5.2@981.43,272.9 1000.43,291.9 1016.2,291.9 v1(1018.6,289.5) ; v1(1277,-966.1) 1278.4,-967.5 1336.98,-967.5 1337.4,-967.08 v1(1337.4,-966.16) ; v1(1506.8,-163.1) C71_DP6.2@1526.37,-163.1 ; v1(1506.8,-135.9) C71_DP6.2@1536.37,-135.9 ; C71_DP7.2@1523,338.33 1523,317.1 v1(1529.8,310.3) ; C71_DP7.2@1529.7,338.23 v1@1529.7,368.4 ; v1(1530.4,-909.1) 1530.4,-930.93 C71_DP2.2@1547.57,-948.1 ; v1(1612.8,-481.5) 1589.6,-481.5 1573.4,-497.7 C71_DP4.2@1573.4,-529.07 v1(1618.17,-529.07)
  Bottom Layer w8: v1(740.8,-896.73) 742.25,-896.73 C74_DP0.2@768.62,-923.1 ; v1@1243.01,316.75 1244.94,316.75 1245,316.81 v1(1245,319.9) ; v1@1249.34,-549.2 v1@1249.34,-546.25 ; v1@1250.41,-923 v1@1250.41,-920.05
  Bottom Layer w10: v1@507.4,-163.7 521.48,-163.7 551,-134.18 L5_DP3.1@551,-124.66 ; v1(561,478.1) 561.6,477.5 576.96,477.5 L5_DP5.1@593,461.46 ; v1@767.5,420.2 v1(767.8,420.5)
  Bottom Layer w12: v1(455.6,-873.9) 485.36,-873.9 L5_DP0.1@491,-879.54 ; v1(491.8,-617.1) 508.24,-600.66 L5_DP1.1@547,-600.66 ; v1(615,-439.1) 641.62,-412.48 C70_DP1.2@642,-412.48 ; C251_DP3.2@617,-152.72 626.45,-152.72 v1(648.67,-130.5) 683.2,-130.5 v1(683.35,-130.65) 688.92,-130.65 C250_DP3.2@711,-152.72 ; C251_DP1.2@621,-628.72 C68_DP1.2@711,-628.72 ; C70_DP0.2@622,-806.48 C252_DP0.2@689,-806.48 ; C70_DP1.2@637.62,-408.1 C70_DP1.2@642,-412.48 ; C70_DP3.2@638,68.52 666.5,68.52 ; 647,-806.48 647,-828.46 658.13,-839.58 v1@658.13,-843.58 ; 647,-628.72 v1(647,-599.7) ; C251_DP0.2@652.62,-999.1 665,-999.1 v1(672,-992.1) ; v1(667.6,27.82) 667.6,67.42 666.5,68.52 ; v1(668,-441.1) 668,-412.48 ; v1(672,-1008.1) 683.38,-1008.1 C68_DP0.2@701,-1025.72 ; v1(673,269.9) 673,243.9 685.62,231.28 C68_DP5.2@701,231.28 728,231.28 ; v1(682.2,-600.1) 682.2,-627.92 683,-628.72 ; C70_DP5.2@684,451.52 712,451.52 ; C252_DP1.2@696,-412.48 C70_DP1.2@642,-412.48 ; C252_DP3.2@699,67.52 698,68.52 666.5,68.52 ; v1(712,421.3) 712,451.52 ; v1(729.4,267.8) 729.4,232.68 728,231.28 ; v1(740.8,-896.73) 742.25,-896.73 C74_DP0.2@768.62,-923.1 752.62,-939.1 752.62,-949.1 ; v1(741,-949.1) 752.62,-949.1 ; v1(748.42,-506.56) 750.96,-509.1 771,-509.1 ; v1(749,-557.1) 750.62,-557.1 773.62,-534.1 771,-531.48 771,-509.1 ; v1(750.28,-64.7) 793.22,-64.7 794.62,-63.3 794.62,-90.1 C68_DP3.2@796.62,-92.1 ; v1(750.28,-25.33) 793.39,-25.33 794.62,-24.1 ; C250_DP5.2@759,232.28 758,231.28 728,231.28 ; v1@767.5,420.2 767.5,439.4 754.38,452.52 C252_DP5.2@740,452.52 739,451.52 712,451.52 ; C74_DP1.2@773.62,-481.1 771,-483.72 771,-509.1 ; C250_DP0.2@780.62,-977.1 752.62,-949.1 ; 794.62,-71 794.62,-24.1 ; C74_DP3.2@794.62,4.9 794.62,-24.1 ; C74_DP5.2@821.62,316.9 821.62,321.28 796,346.9 796,365.95 v1(795.88,366.07) 821.71,391.9 C251_DP5.2@823.62,391.9 ; v1@1115,336.9 L5_DP7.1@1146.44,336.9 ; v1(1115.8,-152.1) 1148.44,-152.1 L5_DP6.1@1149.44,-151.1 ; v1(1131.2,-625.1) 1149.98,-606.32 L5_DP4.1@1149.98,-604.24 ; v1(1149,-990.1) 1180.44,-958.66 L5_DP2.1@1208,-958.66 ; v1(1248.2,-454.3) 1248.2,-431.28 C70_DP4.2@1248.38,-431.1 ; v1(1250.4,-205.7) 1274.42,-229.72 1319,-229.72 C68_DP6.2@1320,-228.72 1341.62,-207.1 v1(1342.6,-207.1) ; C251_DP7.2@1272.62,273.9 1288,273.9 1300,285.9 1314,285.9 v1(1328,271.9) ; C70_DP7.2@1275,470.52 C252_DP7.2@1330.38,470.52 ; v1(1277,-966.1) 1304.62,-993.72 C251_DP2.2@1308,-993.72 1338,-993.72 ; C70_DP6.2@1295,-13.48 1295,-14.1 v1(1317,-36.1) 1351.38,-36.1 C252_DP6.2@1374,-13.48 ; v1(1308,436.9) 1308,470.52 ; C251_DP4.2@1321.62,-585.1 C68_DP4.2@1364.38,-585.1 ; v1(1337.4,-966.16) 1339.66,-966.16 1341,-967.5 1341,-990.72 1338,-993.72 ; C70_DP2.2@1341.62,-809.1 C252_DP2.2@1375.38,-809.1 ; C68_DP2.2@1365,-993.72 1338,-993.72 ; C252_DP4.2@1372.62,-431.1 1374.62,-433.1 v1(1400,-433.1) ; C250_DP7.2@1398,408.28 1401,405.28 v1(1401,346.9) ; v1(1408,-543.1) 1409.62,-543.1 C250_DP4.2@1434.62,-518.1 C74_DP4.2@1434.62,-466.1 ; v1(1408,-492.1) 1433.62,-492.1 ; v1(1409,-909.1) 1446.62,-909.1 ; v1(1409,-852.1) 1418.62,-852.1 C74_DP2.2@1446.62,-880.1 1446.62,-909.1 ; v1(1409,-150.1) 1434.62,-150.1 ; v1(1410,-96.1) 1435.62,-121.72 C74_DP6.2@1435.62,-124.1 C250_DP6.2@1435.62,-182.1 ; C250_DP2.2@1449.62,-939.1 1446.62,-936.1 1446.62,-909.1
  other v1: 582.34,-958.74 1246.6,-919.3 659.98,-841.86 648.13,-829.58 1342,-585.1 590.14,-566.14 1245.6,-545.7 507.2,-163.9 1248,-158.7 591.81,-87.34 1341,-37.1 1291,270.9 637.41,304.06 1113,334.9 795.88,346.07 1529.8,369.1 1402,387.9
  other v3: 1486,-1356.1 1516,-1356.1 1486,-1326.1 1516,-1326.1 1486,-1296.1 1516,-1296.1 1486,-1266.1 1516,-1266.1 1486,-1236.1 836,-1149.1 896,-1149.1 956,-1149.1 1016,-1149.1 1076,-1149.1 1136,-1149.1 1196,-1149.1